# Altium PCB Drive_Board1.PcbDoc
Units mil, origin at the board's own origin, x right, y up, seen from the top; angles counter-clockwise.
Board outline 3356.04 x 2551.88 mil, 2 copper layers (Top Layer, Bottom Layer); 79 components, 38 nets, 229 pads, 292 vias.
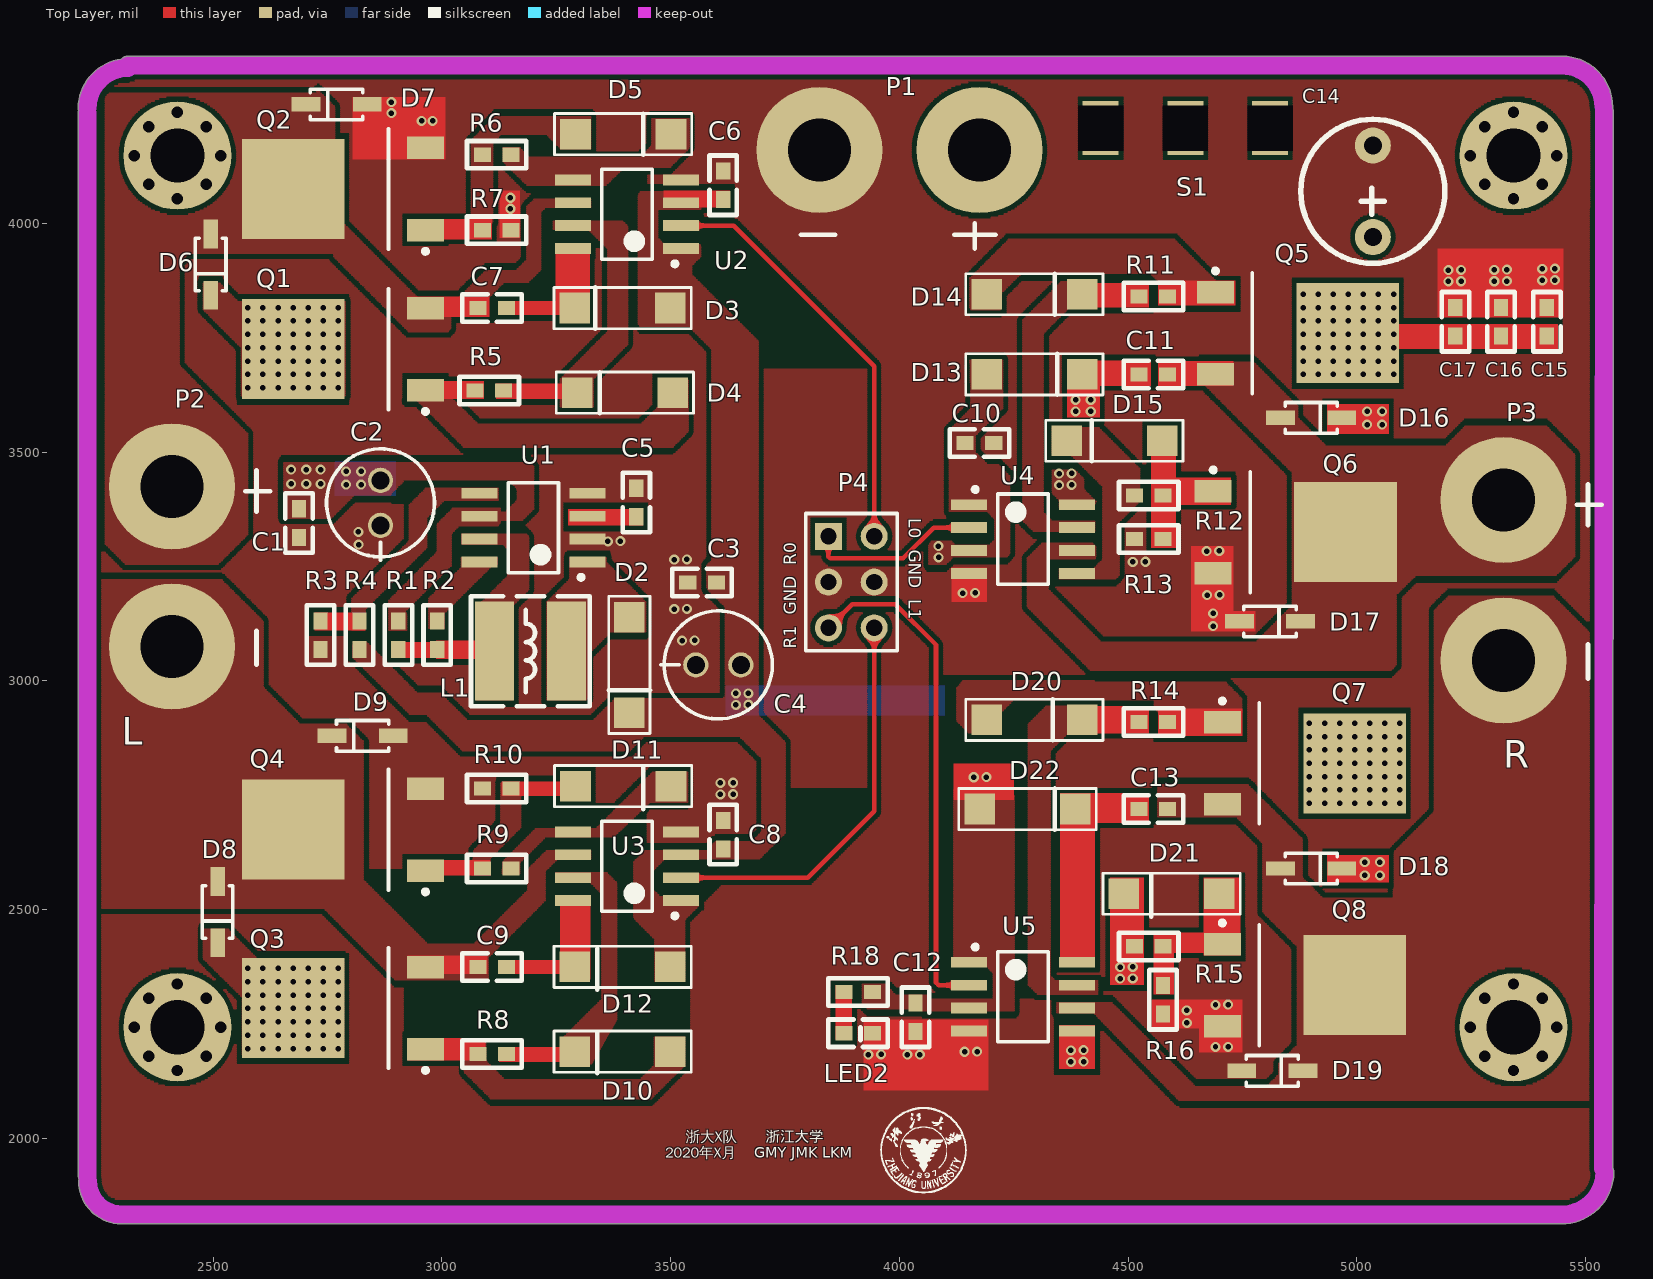
[diagram p0: Top Layer view]
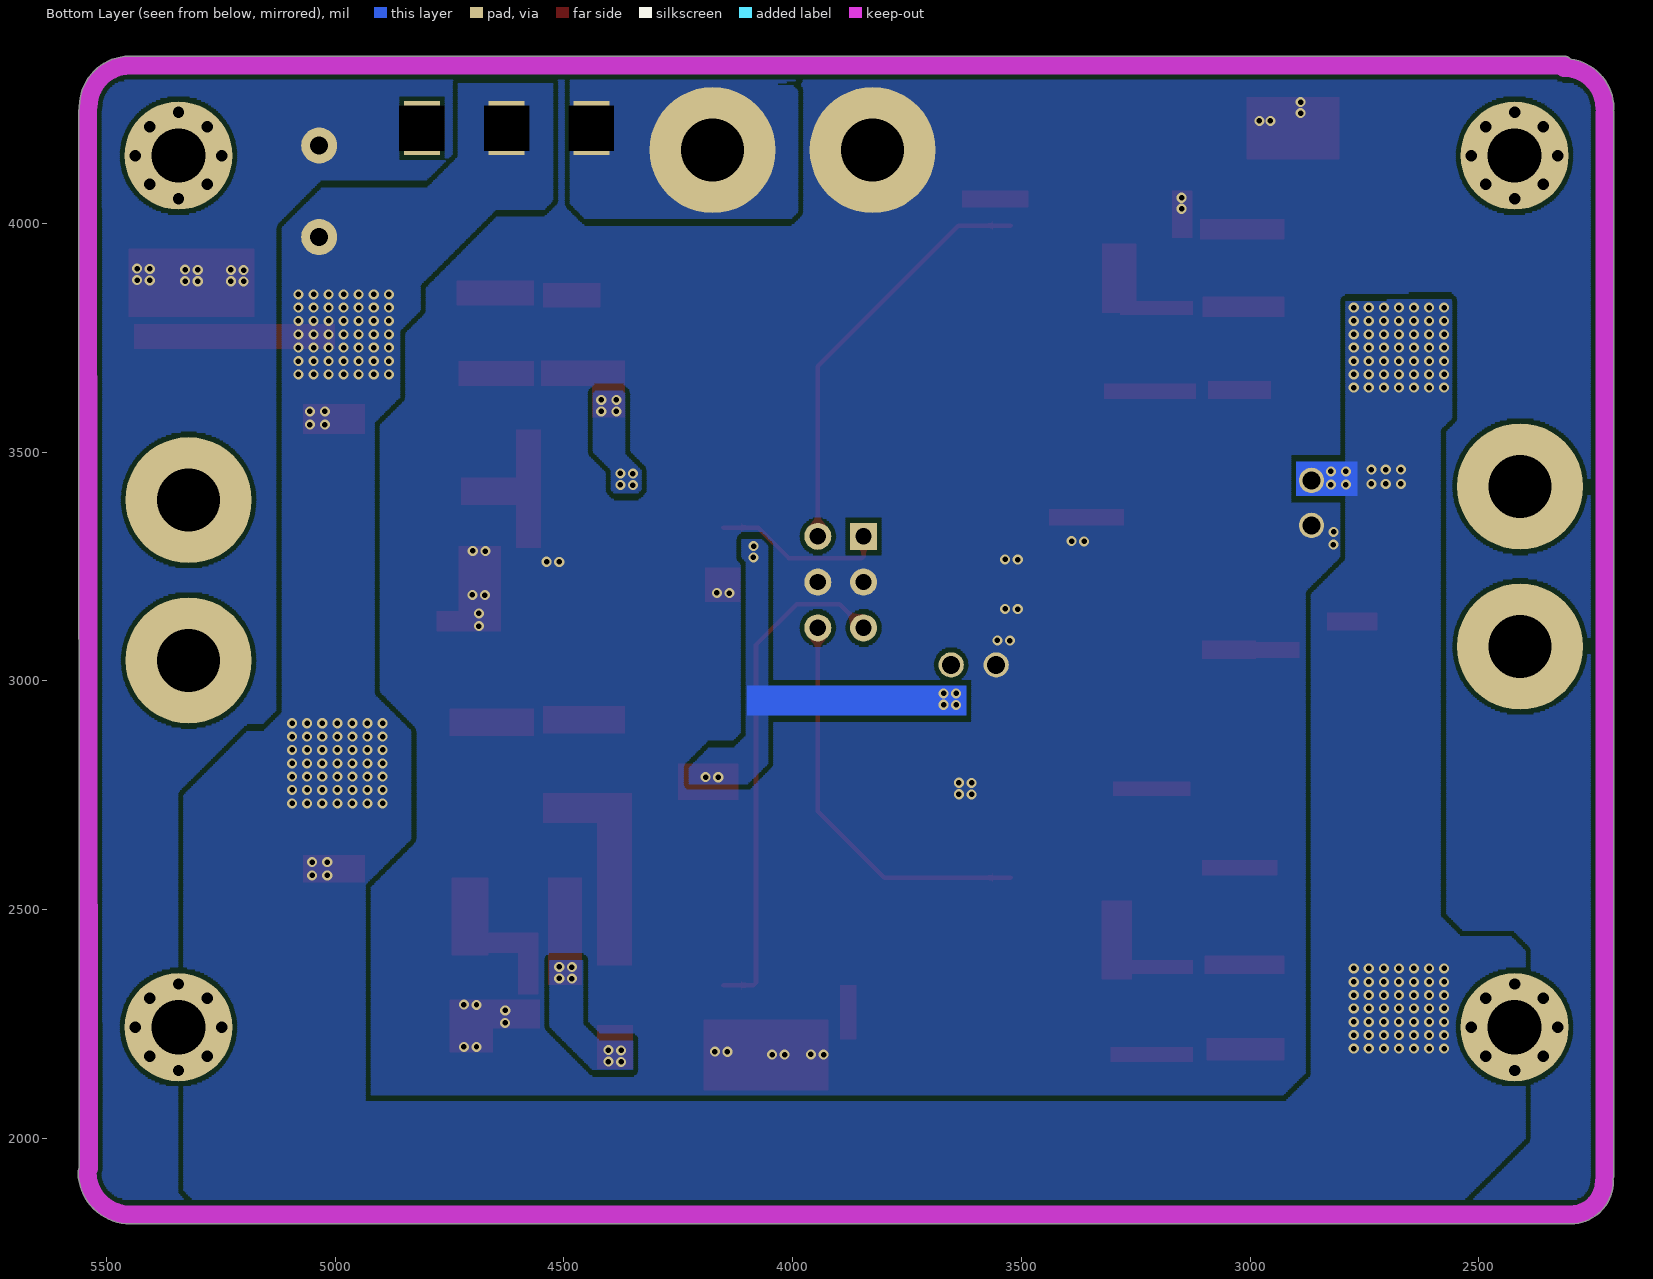
[diagram p1: Bottom Layer view, seen from below]

## Layer stack, top to bottom
Top Solder: solder mask 0.4, Solder Resist, Dk 3.5
Top Layer: signal copper 1.4
Dielectric 1: dielectric 12.6, FR-4, Dk 4.8
Bottom Layer: signal copper 1.4
Bottom Solder: solder mask 0.4, Solder Resist, Dk 3.5

## Board outline
2298.65,1813.49 ccw(c2298.94,1833.5) 2299.33,1813.49 ccw(c2300,1833.49) 2300,1813.48 5447.53,1813.48 ccw(c5447.53,1833.49) 5447.67,1813.48 ccw(c5447.76,1833.49) 5447.81,1813.48 ccw(c5447.53,1927.32) 5561.37,1925.68 ccw(c5541.35,1925.97) 5561.37,1925.97 ccw(c5541.35,1925.97) 5558.6,1936.13 5560.02,4244.99 ccw(c5540,4245) 5560.02,4245 ccw(c5540,4245) 5558.54,4252.53 ccw(c5538.71,4255.22) 5558.72,4255.22 ccw(c5538.71,4255.22) 5558.72,4255.27 ccw(c5448.37,4255) 5449.96,4365.35 ccw(c5449.67,4345.33) 5449.16,4365.34 ccw(c5448.37,4345.34) 5448.37,4365.36 2314.24,4365.36 ccw(c2314.24,4345.34) 2299.64,4359.03 ccw(c2314.24,4251.09) 2205.34,4252.67 ccw(c2225.35,4252.38) 2206.15,4246.7 ccw(c2225.34,4241) 2205.32,4241 2205.32,1920 ccw(c2225.34,1920) 2207.18,1911.59 ccw(c2226.59,1906.72) 2206.57,1906.67 ccw(c2300,1906.9)

## Design rules (kind name [scope] priority, off if disabled: settings)
Clearance [All] p1: gap=10 ignorepadtopadclearanceinfootprint=FALSE except(0: Arc-Hole Track-Hole SMDPad-Hole THPad-Hole Via-Hole Fill-Hole Poly-Hole Region-Hole Text-Hole; 6: Arc-Arc Arc-Track Track-Track)
PlaneConnect [All] p1: planeconnectstyle=Direct reliefexpansion=20 reliefentries=4 reliefconductorwidth=10 reliefairgap=10
PolygonConnect [All] p1: connectstyle=Direct reliefconductorwidth=10 reliefentries=4 polygonreliefangle="90 Angle" airgapwidth=10
RoutingVias [All] p1: holewidth=12 width=22 viastyle="Through Hole" minholewidth=12 minwidth=22 maxholewidth=12 maxwidth=22
SilkToSilkClearance [All] p1: silktosilkclearance=2
SolderMaskExpansion [All] p1: expansion=4
Width [All] p1: maxlimit=10 minlimit=10 preferedwidth=10
28 further rules are at their usual default settings.

## Classes and differential pairs
component class Sheet2: C1 C2 C3 C4 C5 C6 C7 C8 C9 C10 C11 C12 C13 C14 C15 C16 C17 D2 D3 D4 D5 D6 D7 D8 D9 D10 D11 D12 D13 D14 D15 D16 D17 D18 D19 D20 D21 D22 L1 LED2 P1 P2 P3 P4 Q1 Q2 Q3 Q4 Q5 Q6 Q7 Q8 R1 R2 R3 R4 R5 R6 R7 R8 R9 R10 R11 R12 R13 R14 R15 R16 R18 S1 U1 U2 U3 U4 U5

## Components (designator, comment, footprint, x,y, rotation, side; value= is the part's Value field where it differs from the comment)
C1 "Cap" 0603C 2688.2,3345 r90 top value=100nF
C2 "Cap" 电解电容 2866,3438.43 r270 top value=100uF/16V
C3 "Cap" 0603C 3568.75,3215 r0 top value=100nF
C4 "Cap" 电解电容 3653.43,3035 r180 top value=100uF/16V
C5 "Cap" 0603C 3425,3390 r270 top value=470pF
C6 "Cap" 0603C 3615,4083.25 r270 top value=100nF
C7 "Cap" 0603C 3110,3815 r0 top value=1.5uF
C8 "Cap" 0603C 3615,2664 r270 top value=100nF
C9 "Cap" 0603C 3110,2375 r0 top value=1.5uF
C10 "Cap" 0603C 4175,3520 r180 top value=100nF
C11 "Cap" 0603C 4555,3670 r180 top value=1.5uF
C12 "Cap" 0603C 4035,2265 r90 top value=100nF
C13 "Cap" 0603C 4555,2720 r180 top value=1.5uF
C14 "Cap" CAP5.08/8 5034.07,3968.39 r90 top value=470uF/16V
C15 "Cap" 0603C 5415,3785 r270 top value=100nF
C16 "Cap" 0603C 5315,3785 r270 top value=100nF
C17 "Cap" 0603C 5215,3785 r270 top value=100nF
D2 "SS14" ss54 3410,3035 r90 top
D3 "SS14" ss54 3395,3815 r0 top
D4 "SS14" ss54 3400,3630 r0 top
D5 "SS14" ss54 3396.47,4195 r0 top
D6 "1N4148" SOD123 2495,3975 r270 top
D7 "1N4148" SOD123 2835,4260 r180 top
D8 "1N4148" SOD123 2510,2559.93 r270 top
D9 "1N4148" SOD123 2891.93,2880 r180 top
D10 "SS14" ss54 3395,2190 r0 top
D11 "SS14" ss54 3396.47,2770 r0 top
D12 "SS14" ss54 3395,2375 r0 top
D13 "SS14" ss54 4295,3670 r180 top
D14 "SS14" ss54 4295,3845 r0 top
D15 "SS14" ss54 4470,3525 r0 top
D16 "1N4148" SOD123 4835,3575 r0 top
D17 "1N4148" SOD123 4745,3130 r0 top
D18 "1N4148" SOD123 4835,2590 r0 top
D19 "1N4148" SOD123 4750,2148 r0 top
D20 "SS14" ss54 4295,2915 r0 top
D21 "SS14" ss54 4595,2535 r180 top
D22 "SS14" ss54 4280,2720 r180 top
L1 "220uH" CD54 3193.74,3065 r0 top
LED2 "0" 0603C 3910,2230 r0 top
P1 "Header 2" VCCBAT 4000,4160 r180 top
P2 "Header 2" VCCBAT 2410,3250 r270 top
P3 "Header 2" VCCBAT 5320,3220 r270 top
P4 "Header 3X2" HDR2X3 3845,3316 r270 top
Q1 "MOSFET" DPAK-1 2785,3725 r180 top
Q2 "MOSFET" DPAK-1 2785,4075 r180 top
Q3 "MOSFET" DPAK-1 2785,2285 r180 top
Q4 "MOSFET" DPAK-1 2785,2675 r180 top
Q5 "MOSFET" DPAK-1 4870,3760 r0 top
Q6 "MOSFET" DPAK-1 4865,3325 r0 top
Q7 "MOSFET" DPAK-1 4885,2820 r0 top
Q8 "MOSFET" DPAK-1 4885,2335 r0 top
R1 "Res2" 0603R 2905,3100 r270 top value=0.91
R2 "Res2" 0603R 2990,3100 r270 top value=180
R3 "Res2" 0603R 2735,3100 r270 top value=3.9k
R4 "Res2" 0603R 2820,3100 r90 top value=33k
R5 "Res2" 0603R 3103.75,3635 r0 top value=20
R6 "Res2" 0603R 3120,4150 r0 top value=20
R7 "Res2" 0603R 3120,3985 r180 top value=10k
R8 "Res2" 0603R 3110,2185 r0 top value=20
R9 "Res2" 0603R 3120,2590 r0 top value=20
R10 "Res2" 0603R 3120,2765 r0 top value=10k
R11 "Res2" 0603R 4555,3840 r180 top value=20
R12 "Res2" 0603R 4545,3405 r180 top value=20
R13 "Res2" 0603R 4545,3310 r0 top value=10k
R14 "Res2" 0603R 4555,2910 r180 top value=20
R15 "Res2" 0603R 4545,2420 r180 top value=20
R16 "Res2" 0603R 4576.25,2303.25 r90 top value=10k
R18 "Res2" 0603R 3910,2320 r0 top value=11k
S1 "SW-SPDT" SW 4625.04,4208 r180 top
U1 "MC34063" SOIC-8 3200,3335 r180 top
U2 "IR2104" SOIC-8 3405,4020 r180 top
U3 "IR2104" SOIC-8 3405,2595 r180 top
U4 "IR2104" SOIC-8 4270,3310 r0 top
U5 "IR2104" SOIC-8 4270,2310 r0 top
? "Comment" "Mech Hole 1" 2422.2,4148.15 r0 top
? "Comment" "Mech Hole 1" 5342.2,2243.14 r0 top
? "Comment" "Mech Hole 1" 5342.2,4148.15 r0 top
? "Comment" "Mech Hole 1" 2422.2,2243.14 r0 top

## Footprints (in the part's own frame and the unit in brackets; to place one, negate y for a bottom-side part, rotate by r counter-clockwise, add the part's x,y. Pads: shape width x height; smd on the part's side, far side on the other; paste and mask are expansions set on the pad)
0603C [mil]
  rect 37.5x31 smd: 1(-31.25,0) 2(31.25,0)
  silkscreen extent -65,-30 65,30
0603R [mil]
  rect 37.5x31 smd: 1(-31.25,0) 2(31.25,0)
  silkscreen extent -65,-30 65,30
CAP5.08/8 [mm]
  round 2 hole 1: 1(0.041,-0.017) 2(5.121,-0.017)
  silkscreen extent -1.42,-4.02 6.58,3.98
CD54 [mm] "5.8*5.2*4.5mm（长宽高）"
  rect 2.15x5.5 smd: 1(-2,0) 2(2,0)
  silkscreen extent -3.3,-3.05 3.3,3.05, body extent -2.87,-2.5 2.87,2.5, height 4
DPAK-1 [mm]
  rect 5.7x5.55 smd: 1(2.794,0)
  rect 2.05x1.25 smd: 2(-4.55,2.28) 3(-4.55,-2.28)
  silkscreen extent -4.68,-3.35 -2.5,3.58, body extent -2.15,-3.37 4.07,3.37, height 2.38
HDR2X3 [mm] "Connector; Header; 3x2 Position"
  rect 1.5x1.5 hole 0.9: 1(0,0)
  round 1.5 hole 0.9: 2(0,2.54) 3(2.54,0) 4(2.54,2.54) 5(5.08,0) 6(5.08,2.54)
  silkscreen extent -1.27,-1.27 6.35,3.81
"Mech Hole 1" [mm]
  round 6 hole 3: 0(0,0)
  round 0.635 hole 0.635: 1(-2.4,0) 1(-1.6,-1.6) 1(-1.6,1.6) 1(0,-2.4) 1(0,2.4) 1(1.6,-1.6) 1(1.6,1.6) 1(2.4,0)
SOD123 [mm]
  rect 1.6x0.8 smd: 1(-0.049,0) 2(3.351,0)
  silkscreen extent 0.2,-0.85 3.1,0.85
SOIC-8 [mm]
  rect 2x0.6 smd: 1(-3,1.905) 2(-3,0.635) 3(-3,-0.635) 4(-3,-1.905) 5(3,-1.905) 6(3,-0.635) 7(3,0.635) 8(3,1.905)
  silkscreen extent -2.78,-2.5 1.4,2.88, body extent -3.05,-2.44 3.05,2.46, height 1.51
ss54 [mm]
  rect 1.7x1.7 smd: A(-2.65,0) K(2.65,0)
  silkscreen extent -3.81,-1.14 3.81,1.14
SW [mm]
  rect 2x3 hole 2.5 square: 1(-4.7,0) 2(0,0) 3(4.7,0)
VCCBAT [mm]
  round 7 hole 3.5: 1(-4.445,0) 2(4.445,0)
  silkscreen extent -5.33,4.06 5.46,5.46
电解电容 [mm]
  round 1.4 hole 1: 1(0,0) 2(2.5,0)
  silkscreen extent -1.75,-3 4.44,3

## Part data
C1 C3 C5 C6 C7 C8 C9 C10 C11 C12 C13 C15 C16 C17: "Capacitor", LatestRevisionDate=17-Jul-2002, LatestRevisionNote="Re-released for DXP Platform.", PackageDescription="Radial Cap, Thru-Hole; 2 Leads; 0.3 in Pin Spacing", PackageReference=RAD-0.3, Published=8-Jun-2000, Publisher="Altium Limited"
C2 C4 C14: library part Cap2, "Capacitor", LatestRevisionDate=17-Jul-2002, LatestRevisionNote="Re-released for DXP Platform.", PackageDescription="Radial Cap, Thru-Hole; 2 Leads; 0.3 in Pin Spacing", PackageReference=RAD-0.3, Published=8-Jun-2000, Publisher="Altium Limited"
D2 D3 D4 D5 D10 D11 D12 D13 D14 D15 D20 D21 D22: library part Diode_1, "Default Diode", Code_JEDEC=DO-214-AB, LatestRevisionDate=17-Jul-2002, LatestRevisionNote="Re-released for DXP Platform.", PackageDescription="DO-214-AB/SMC; 2 C-Bend Leads; Body 7.9 x 5.9 mm, inc. leads (LxW)", PackageReference=SMC, PackageVersion=Sep-1996, Published=8-Jun-2000, Publisher="Altium Limited"
D6 D7 D8 D9 D16 D17 D18 D19: library part Diode_2, "Default Diode", Code_JEDEC=DO-214-AB, LatestRevisionDate=17-Jul-2002, LatestRevisionNote="Re-released for DXP Platform.", PackageDescription="DO-214-AB/SMC; 2 C-Bend Leads; Body 7.9 x 5.9 mm, inc. leads (LxW)", PackageReference=SMC, PackageVersion=Sep-1996, Published=8-Jun-2000, Publisher="Altium Limited"
L1: library part Inductor_2, "Inductor", Code_IEC=1005, Code_JEITA=0402, LatestRevisionDate=29-May-2009, LatestRevisionNote="IPC-7351 Footprint Added.", PackageDescription="Chip Inductor", PackageReference=0402-A, Published=8-Jun-2000, Publisher="Altium Limited"
LED2: library part LED2, "Typical RED, GREEN, YELLOW, AMBER GaAs LED", LatestRevisionDate=17-Jul-2002, LatestRevisionNote="Re-released for DXP Platform.", PackageDescription="SM LED; 2 Flat Leads", PackageReference=3.2X1.6X1.1, PackageVersion=Feb-2002, Published=8-Jun-2000, Publisher="Altium Limited"
P1 P2 P3: library part "Header 2_2", "Header, 2-Pin", LatestRevisionDate=17-Jul-2002, LatestRevisionNote="Re-released for DXP Platform.", Publisher="Altium Limited"
P4: "Header, 3-Pin, Dual row", LatestRevisionDate=17-Jul-2002, LatestRevisionNote="Re-released for DXP Platform.", Publisher="Altium Limited"
Q1 Q2 Q3 Q4 Q5 Q6 Q7 Q8: library part MOSFET-N
R1 R2 R3 R4 R5 R6 R7 R8 R9 R10 R11 R12 R13 R14 R15 R16 R18: "Resistor", LatestRevisionDate=17-Jul-2002, LatestRevisionNote="Re-released for DXP Platform.", PackageDescription="Axial Device, Thru-Hole; 2 Leads; 0.4 in Pin Spacing", PackageReference=AXIAL-0.4, Published=8-Jun-2000, Publisher="Altium Limited"
S1: "SPDT Subminiature Toggle Switch, Right Angle Mounting, Vertical Actuation", ComponentLink1Description="Manufacturer Link", ComponentLink1URL=http://www.apem.com, DatasheetVersion=05-Dec-2000, LatestRevisionDate=17-Dec-2003, LatestRevisionNote="Schematic revised, PCB Footprint replaced.", PackageDescription="Switch; 4 Leads", PackageReference=TL36WW15050, Published=24-Mar-1999, Publisher="Altium Limited"

## Via types
v1: diameter 22, hole 12, Top Layer to Bottom Layer, tented both sides, 292 vias

## Nets (pads, with @x,y where several pads share a name; then routed paths per layer and width w, separated by ;. In a path a pad name is that pad's centre, name@x,y a point inside that pad or via, vN(x,y) a via of type N, cw(c..) or ccw(c..) an arc to the next point about the centre after c; other vN are vias at no path point)
D12V: C3.2 C4.1 C6.2 C8.2 C10.2 C12.2 D2.A D3.K D12.K D13.K D22.K R4.1 R18.2 U2.1 U2.3 U3.1 U3.3 U4.1 U4.3 U5.1 U5.3
  other v1: 4162.5,2789.57 4190,2790 3642.5,2947.57 3670,2948 3642.5,2972.57 3670,2973 4085.86,3270 4085.43,3294.5
GND: C1.1 C2.2 C3.1 C4.2 C5.1 C6.1 C8.1 C10.1 C12.1 C14.2 C15.1 C16.1 C17.1 D7.1 D9.1 D17.1 D19.1 LED2.2 P1.2 P4.3 P4.4 Q2.3 Q4.3 Q6.3 Q8.3 R3.2 R7.1 R10.1 R13.1 R16.1 U1.2 U1.4 U2.4 U3.4 U4.4 U5.4
  other v1: 4017.5,2183.15 3932.5,2183.57 3960,2184 4045,2183.57 4142.5,2189.57 4170,2190 4690.87,2200 4718.37,2200.43 4628.42,2252.5 4628,2280 4690.87,2292 4718.37,2292.43 3609,2752 3636.5,2752.43 3609,2777 3636.5,2777.43 3525,3088 3552.5,3088.43 4685.87,3120 4685.44,3147.5 3508,3157 3535.5,3157.43 4672.5,3187.57 4700,3188 4138,3192 4165.5,3192.43 4510,3260 4537.5,3260.43 3508,3265 3535.5,3265.43 4671.5,3283.57 4699,3284 2818,3298 3363,3305 3390.5,3305.43 2817.57,3325.5 5200,3873 5227.5,3873.43 5300,3873.43 5327.5,3873.85 5405,3875.5 5432.5,3875.93 5200,3898 5227.5,3898.43 5300,3898.43 5327.5,3898.85 5405,3900.5 5432.5,3900.93 3150,4032 3150,4056 2956,4224 2980,4224 2890,4241 2890,4265
L0: P4.2 U2.2 | length 921.1
  Top Layer w10: U2.2 3638,3995 3945,3688 P4.2
L1: P4.6 U3.2 | length 883
  Top Layer w10: U3.2 3800,2570 3945,2715 P4.6
L+: C7.1 D6.1 D7.2 P2.1 Q1.3 Q2.1 U2.6
L-: C9.1 D8.1 D9.2 P2.2 Q3.3 Q4.1 U3.6
NetC5_2: C5.2 U1.3
NetC7_2: C7.2 D3.A U2.8
NetC9_2: C9.2 D12.A U3.8
NetC11_2: C11.2 D13.A U4.8
  other v1: 4349,3428 4376.5,3428.43 4349,3453 4376.5,3453.43 4385.33,3589.17 4418.25,3589.17 4385.33,3614.17 4418.25,3614.17
NetC13_2: C13.2 D22.A U5.8
NetD2_1: D2.K L1.2 U1.1
NetD4_1: D4.K Q1.2 R5.1
NetD4_2: D4.A R5.2 U2.7
NetD5_1: D5.A Q2.2 R6.1 R7.2
NetD5_2: D5.K R6.2 U2.5
NetD10_1: D10.K Q3.2 R8.1
NetD10_2: D10.A R8.2 U3.7
NetD11_1: D11.A Q4.2 R9.1 R10.2
NetD11_2: D11.K R9.2 U3.5
NetD14_1: D14.A Q5.2 R11.1
NetD14_2: D14.K R11.2 U4.7
NetD15_1: D15.K Q6.2 R12.1 R13.2
NetD15_2: D15.A R12.2 U4.5
NetD20_1: D20.A Q7.2 R14.1
NetD20_2: D20.K R14.2 U5.7
NetD21_1: D21.A Q8.2 R15.1 R16.2
NetD21_2: D21.K R15.2 U5.5
  other v1: 4375,2167.57 4402.5,2168 4375,2192.57 4402.5,2193 4482.5,2349.57 4510,2350 4482.5,2374.57 4510,2375
NetL1_1: L1.1 R1.2 R2.2 U1.7
NetLED2_1: LED2.1 R18.1
NetR2_1: R2.1 U1.8
NetR3_1: R3.1 R4.2 U1.5
R0: P4.1 U4.2 | length 380.6
  Top Layer w10: P4.1 3845,3271.47 3848.47,3268 4008,3268 4075,3335 U4.2
R1: P4.5 U5.2 | length 1105.9
  Top Layer w10: P4.5 3897,3168 3991,3168 4080,3079 4080,2340.86 4085.86,2335 U5.2
R+: C11.1 D16.1 D17.2 P3.1 Q5.3 Q6.1 U4.6
R-: C13.1 D18.1 D19.2 P3.2 Q7.3 Q8.1 U5.6
VCC: C1.2 C2.1 C14.1 C15.2 C16.2 C17.2 D6.2 D8.2 D16.2 D18.2 Q1.1 Q3.1 Q5.1 Q7.1 R1.1 S1.2 U1.6
  other v1: 2576.25,2196.67 2609.17,2196.67 2642.08,2196.67 2675,2196.67 2707.92,2196.67 2740.83,2196.67 2773.75,2196.67 2576.25,2225.83 2609.17,2225.83 2642.08,2225.83 2675,2225.83 2707.92,2225.83 2740.83,2225.83 2773.75,2225.83 2576.25,2255 2609.17,2255 2642.08,2255 2675,2255 2707.92,2255 2740.83,2255 2773.75,2255 2576.25,2284.17 2609.17,2284.17 2642.08,2284.17 2675,2284.17 2707.92,2284.17 2740.83,2284.17 2773.75,2284.17 2576.25,2313.33 2609.17,2313.33 2642.08,2313.33 2675,2313.33 2707.92,2313.33 2740.83,2313.33 2773.75,2313.33 2576.25,2342.5 2609.17,2342.5 2642.08,2342.5 2675,2342.5 2707.92,2342.5 2740.83,2342.5 2773.75,2342.5 2576.25,2371.67 2609.17,2371.67 2642.08,2371.67 2675,2371.67 2707.92,2371.67 2740.83,2371.67 2773.75,2371.67 5017.08,2575 5050,2575 5017.08,2604.17 5050,2604.17 4896.25,2732.5 4929.17,2732.5 4962.08,2732.5 4995,2732.5 5027.92,2732.5 5060.83,2732.5 5093.75,2732.5 4896.25,2761.67 4929.17,2761.67 4962.08,2761.67 4995,2761.67 5027.92,2761.67 5060.83,2761.67 5093.75,2761.67 4896.25,2790.83 4929.17,2790.83 4962.08,2790.83 4995,2790.83 5027.92,2790.83 5060.83,2790.83 5093.75,2790.83 4896.25,2820 4929.17,2820 4962.08,2820 4995,2820 5027.92,2820 5060.83,2820 5093.75,2820 4896.25,2849.17 4929.17,2849.17 4962.08,2849.17 4995,2849.17 5027.92,2849.17 5060.83,2849.17 5093.75,2849.17 4896.25,2878.33 4929.17,2878.33 4962.08,2878.33 4995,2878.33 5027.92,2878.33 5060.83,2878.33 5093.75,2878.33 4896.25,2907.5 4929.17,2907.5 4962.08,2907.5 4995,2907.5 5027.92,2907.5 5060.83,2907.5 5093.75,2907.5 2790.83,3428.83 2823.75,3428.83 2670.83,3430.83 2703.75,3430.83 2735,3430.83 2790.83,3458 2823.75,3458 2670.83,3462 2703.75,3462 2735,3462 5022.08,3560 5055,3560 5022.08,3589.17 5055,3589.17 2576.25,3640.83 2609.17,3640.83 2642.08,3640.83 2675,3640.83 2707.92,3640.83 2740.83,3640.83 2773.75,3640.83 2576.25,3670 2609.17,3670 2642.08,3670 2675,3670 2707.92,3670 2740.83,3670 2773.75,3670 4882.5,3670 4915.42,3670 4948.33,3670 4981.25,3670 5014.17,3670 5047.08,3670 5080,3670 2576.25,3699.17 2609.17,3699.17 2642.08,3699.17 2675,3699.17 2707.92,3699.17 2740.83,3699.17 2773.75,3699.17 4882.5,3699.17 4915.42,3699.17 4948.33,3699.17 4981.25,3699.17 5014.17,3699.17 5047.08,3699.17 5080,3699.17 2576.25,3728.33 2609.17,3728.33 2642.08,3728.33 2675,3728.33 2707.92,3728.33 2740.83,3728.33 2773.75,3728.33 4882.5,3728.33 4915.42,3728.33 4948.33,3728.33 4981.25,3728.33 5014.17,3728.33 5047.08,3728.33 5080,3728.33 2576.25,3757.5 2609.17,3757.5 2642.08,3757.5 2675,3757.5 2707.92,3757.5 2740.83,3757.5 2773.75,3757.5 4882.5,3757.5 4915.42,3757.5 4948.33,3757.5 4981.25,3757.5 5014.17,3757.5 5047.08,3757.5 5080,3757.5 2576.25,3786.67 2609.17,3786.67 2642.08,3786.67 2675,3786.67 2707.92,3786.67 2740.83,3786.67 2773.75,3786.67 4882.5,3786.67 4915.42,3786.67 4948.33,3786.67 4981.25,3786.67 5014.17,3786.67 5047.08,3786.67 5080,3786.67 2576.25,3815.83 2609.17,3815.83 2642.08,3815.83 2675,3815.83 2707.92,3815.83 2740.83,3815.83 2773.75,3815.83 4882.5,3815.83 4915.42,3815.83 4948.33,3815.83 4981.25,3815.83 5014.17,3815.83 5047.08,3815.83 5080,3815.83 4882.5,3845 4915.42,3845 4948.33,3845 4981.25,3845 5014.17,3845 5047.08,3845 5080,3845
VIN: P1.1 S1.3
pads on no net: ?.0 ?.1 S1.1

## Polygon pours and split planes (outlines as drawn)
GND on Bottom Layer "Bottom Layer-GND" (hatched Horizontal grid 4 track 5, remove dead copper, pour order 196): 2120,4515 5510,4515 5665,4360 5665,1610 5615,1560 2065,1560
VIN on Bottom Layer "Bottom Layer-VIN" (hatched Horizontal grid 4 track 5, remove dead copper, pour order 182): 3930,4325 4485,4325 4485,4043 4452,4010 4005,4010 3990,4025 3990,4290 4004,4304 4035,4304
VCC on Bottom Layer "Bottom Layer-VCC 3" (hatched Horizontal grid 4 track 5, remove dead copper, pour order 180): 4525,4305 4525,4050 4545,4030 4650,4030 4835,3845 5115,3845 5115,3990 5025,4080 4795,4080 4730,4145 4730,4305
VCC on Bottom Layer "Bottom Layer-VCC 1" (hatched Horizontal grid 4 track 5, remove dead copper, pour order 154): 2400,2204 2400,2000 2535,1865 5308,1865 5330,1887 5330,2744 5292,2744 5080,2956 5076,2952 4897,2952 4850,2905 4850,2665 4850,2644.94 4935,2599.94 4935,2080 2923,2080 2855,2148
VCC on Bottom Layer "Bottom Layer-VCC 2" (hatched Horizontal grid 4 track 5, remove dead copper, pour order 100): 2565,3835 2560,3830 2560,3575 2585,3550 2585,2485 2540,2440 2430,2440 2400,2410 2400,2180 2460,2120 2850,2120 2866,2136 2866,3189 2790,3265 2790,3830
no net on Bottom Layer "Bottom Layer-No Net 1" (hatched Horizontal grid 4 track 5, remove dead copper, pour order 174): 2180,4410
no net on Bottom Layer "Bottom Layer-No Net" (hatched Horizontal grid 4 track 5, remove dead copper, pour order 152): 2404,2176
D12V on Bottom Layer "Bottom Layer-EN" (hatched Horizontal grid 4 track 5, remove dead copper, pour order 62): 4224,2775 4225,2776 4225,2810 4179,2856 4125,2856 4100,2881 4100,3260 4110,3270 4110,3308 4106,3312 4072,3312 4055,3295 4055,2820 4100,2775
NetD21_2 on Bottom Layer "Bottom Layer-NetD21_2" (hatched Horizontal grid 4 track 5, remove dead copper, pour order 42): 4460,2390 4460,2250 4425,2215 4350,2215 4350,2150 4435,2150 4530,2245 4530,2390
NetC11_2 on Bottom Layer "Bottom Layer-NetC11_2" (hatched Horizontal grid 4 track 5, remove dead copper, pour order 28): 4368,3628 4368,3496 4332,3460 4332,3418 4340,3410 4388,3410 4395,3417 4395,3461 4435,3501 4435,3628 4428,3635 4375,3635
VCC on Bottom Layer "Bottom Layer-VCC" (hatched Horizontal grid 4 track 5, remove dead copper, pour order 4): 4815,3810 4860,3765 4860,3620 4915,3565 4915,2970 4835,2890 4835,2655 4955,2535 5240,2535 5330,2625 5330,2750 5190,2890 5155,2890 5115,2930 5115,3870 5065,3920 4815,3920
GND on Top Layer "Top Layer-GND 7" (hatched Horizontal grid 4 track 5, remove dead copper, pour order 194): 2120,4515 5510,4515 5665,4360 5665,1610 5615,1560 2065,1560
no net on Top Layer "Top Layer-No Net 4" (hatched Horizontal grid 4 track 5, remove dead copper, pour order 184): 5175,3936
L+ on Top Layer "Top Layer-L+" (hatched Horizontal grid 4 track 5, remove dead copper, pour order 82): 2948,3836 2765,4019 2765,4255 2730,4290 2725,4285 2275,4285 2265,4275 2265,3300 2310,3255 2510,3255 2575,3320 2575,3540 2425,3690 2425,3914 2446,3935 2765,3935 2765,3927 2929,3763 3012,3763 3019,3770 3019,3835
R- on Top Layer "Top Layer-R-" (hatched Horizontal grid 4 track 5, remove dead copper, pour order 40): 5080,2524 5080,2624.5 5170,2714.5 5170,3154 5204,3188 5425,3188 5525,3088 5525,2080 5152.84,2080 5150,2082.84
GND on Top Layer "Top Layer-GND 6" (hatched Horizontal grid 4 track 5, remove dead copper, pour order 162): 3480,2995 3577,2995 3598,3016 3598,3131.5 3552,3177.5 3552,3286.02 3516.02,3322 3280,3322 3280,3294.5 3412.27,3294.5 3480,3237.09
GND on Top Layer "Top Layer-GND 3" (hatched Horizontal grid 4 track 5, remove dead copper, pour order 160): 2665,3264 2665,3096 2737,3024 2745,3032 2745,3080 2725,3080 2705,3100 2705,3268
VCC on Top Layer "Top Layer-VCC 4" (hatched Horizontal grid 4 track 5, remove dead copper, pour order 158): 2884.43,3175.42 2990.43,3281.42 2990.43,3342.48 3024.19,3376.25 3126.94,3376.25 3126.94,3344.94 3122,3340 3038,3340 3020,3322 3020,3252.58 2918.28,3150.85 2922,3147.13 2922,3108 2885.13,3108 2884.43,3108.7
GND on Top Layer "Top Layer-GND 4" (hatched Horizontal grid 4 track 5, remove dead copper, pour order 156): 2790,3332 2837.5,3379.5 2890.5,3379.5 2906,3364 2906,3309.82 2860.18,3264 2665,3264 2665,3330 2665,3332
D12V on Top Layer "Top Layer-EN 9" (hatched Horizontal grid 4 track 5, remove dead copper, pour order 144): 3517.01,3798.99 3591,3725 3591,3232 3607,3216 3691,3216 3691,3742.25 3510.27,3922.98
D12V on Top Layer "Top Layer-EN 10" (hatched Horizontal grid 4 track 5, remove dead copper, pour order 142): 3630,2650 3680,2650 3700,2670 3700,2830.51 3640,2890.51 3640,2936 3679.49,2936 3750,2865.49 3750,2668 3691.97,2609.97 3595,2609.97 3595,2638 3605,2648
D12V on Top Layer "Top Layer-EN 11" (hatched Horizontal grid 4 track 5, remove dead copper, pour order 140): 3420.01,2960.96 3614,2960.96 3620,2966.96 3620,3161.76 3580,3201.76 3580,3253 3591,3264 3680,3264 3691,3253 3691,2920.49 3650.51,2880 3419.99,2880
GND on Top Layer "Top Layer-GND 5" (hatched Horizontal grid 4 track 5, remove dead copper, pour order 138): 3560,2680 3560,2681 3595,2716 3595,2803 3594,2804 3650,2804 3650,2672 3598.48,2672 3586.48,2660 3483.03,2660 3483.03,2679.88
D12V on Top Layer "Top Layer-EN 4" (hatched Horizontal grid 4 track 5, remove dead copper, pour order 134): 2806,3052 2934,2924 2970,2924 3046.5,2847.5 3410,2847.5 3442.51,2880.01 3442.51,2960.96 3378.96,2960.96 3330,2912 3057,2912 2994,2975 2944.38,2975 2834.38,3085 2807,3085
no net on Top Layer "Top Layer-No Net 2" (hatched Horizontal grid 4 track 5, remove dead copper, pour order 132): 2806,3052
GND on Top Layer "Top Layer-GND 1" (hatched Horizontal grid 4 track 5, remove dead copper, pour order 130): 2720,3041 2865,2896 2865,2848.13 2925.13,2788 2925,2742 3109.57,2742 3111.57,2744 3111.57,2784 3107.57,2788 3004,2788 2927,2865 2927,2896 2912,2896 2750,3060.5 2750,3069 2750,3085 2723,3085 2720,3085
D12V on Top Layer "Top Layer-EN 5" (hatched Horizontal grid 4 track 5, remove dead copper, pour order 128): 3582,2632 3600,2650 3630,2650 3630,2615 3628,2613 3600,2613 3596.97,2609.97 3517.03,2609.97 3515,2612 3515,2632
VCC on Top Layer "Top Layer-VCC" (hatched Horizontal grid 4 track 5, remove dead copper, pour order 126): 2655,3480 2890,3480 2905,3465 2905,3425.62 2883.38,3404 2806,3404 2757,3355 2655,3355
D12V on Top Layer "Top Layer-EN 6" (hatched Horizontal grid 4 track 5, remove dead copper, pour order 124): 3447.83,2632 3420,2604.17 3420,2482 3466,2436 3500,2470 3500,2515 3485,2530 3475,2530 3457,2548 3457,2581.97 3485,2609.97 3560,2609.97 3560,2632
D12V on Top Layer "Top Layer-EN 7" (hatched Horizontal grid 4 track 5, remove dead copper, pour order 122): 3485,2510 3466,2491 3466,2342.5 3530,2342.5 3530,2478 3560,2508 3560,2530 3485,2530
NetD11_2 on Top Layer "Top Layer-NetD11_2" (hatched Horizontal grid 4 track 5, remove dead copper, pour order 120): 3341,2680 3465,2804 3536.5,2804 3536.5,2734.5 3453.5,2734.5 3375,2659.47 3371.53,2659.47 3305,2659.47 3305,2680
NetD11_2 on Top Layer "Top Layer-NetD11_2 1" (hatched Horizontal grid 4 track 5, remove dead copper, pour order 118): 3134,2605 3209,2680 3326,2680 3326,2659.47 3226.5,2659.47 3170,2602.97 3170,2576 3133,2576
L- on Top Layer "Top Layer-L-" (hatched Horizontal grid 4 track 5, remove dead copper, pour order 116): 3250,2632 3232.83,2632 3188.76,2587.93 3188.76,2542.76 3050,2404 3050,2348 3101,2348 3101,2396 3225,2520 3225,2584 3249.75,2608.75 3325,2608.75 3325,2629 3324,2630
L- on Top Layer "Top Layer-L- 1" (hatched Horizontal grid 4 track 5, remove dead copper, pour order 114): 2304,3222 2517,3222 2609.17,3129.83 2609.17,2985.83 2690,2905 2790,2905 2828,2867 2828,2565 2965,2428 3081,2428 3101,2408 3101,2344 2902,2344 2742,2504 2231,2504 2165,2570 2165,3228
NetD11_1 on Top Layer "Top Layer-NetD11_1" (hatched Horizontal grid 4 track 5, remove dead copper, pour order 112): 3070.94,2629.94 3130,2689 3130,2780 3171.88,2780 3171.88,2679.88 3105,2613 3105,2575 3067,2575 3066,2576
NetD10_2 on Top Layer "Top Layer-NetD10_2" (hatched Horizontal grid 4 track 5, remove dead copper, pour order 110): 3325,2560 3350,2535 3350,2304 3265,2219 3265,2164 3269,2160 3324,2160 3382,2260 3382,2558.43 3356.43,2584 3250,2584 3250,2560
NetD10_1 on Top Layer "Top Layer-NetD10_1" (hatched Horizontal grid 4 track 5, remove dead copper, pour order 108): 3050,2175 3050,2145 3110,2085 3455,2085 3530,2160 3530,2224 3465,2224 3465,2160 3435,2130 3135,2130 3095,2170 3095,2212 3053,2212 3049,2216
VCC on Top Layer "Top Layer-VCC 1" (hatched Horizontal grid 4 track 5, remove dead copper, pour order 106): 2480,2393 2565,2308 2565,2180 2785,2180 2785,2395 2594,2395 2529,2460 2480,2460
VCC on Top Layer "Top Layer-VCC 2" (hatched Horizontal grid 4 track 5, remove dead copper, pour order 104): 3119.57,3370.5 3141.5,3370.5 3166,3395 3166,3419 3145,3440 2919.38,3440 2885,3405.62 2834.38,3405.62 2815,3425 2815,3470 2825,3480 3188.38,3480 3200,3468.38 3200,3376 3174,3350 3044,3350 3044,3372
no net on Top Layer "Top Layer-No Net 3" (hatched Horizontal grid 4 track 5, remove dead copper, pour order 102): 2788,3408.31
GND on Top Layer "Top Layer-GND 2" (hatched Horizontal grid 4 track 5, remove dead copper, pour order 98): 3354,3420 3372.43,3438.43 3440,3438.43 3440,3405 3431,3396 3278,3396 3278,3420.62
NetR3_1 on Top Layer "Top Layer-NetR3_1" (hatched Horizontal grid 4 track 5, remove dead copper, pour order 96): 2804,3180 2930,3306 2930,3385 2966.25,3421.25 3120.75,3421.25 3122,3420 3122,3396 3006,3396 2966.25,3356.25 2966.25,3291.25 2832,3157 2832,3110 2804,3110
NetL1_1 on Top Layer "Top Layer-NetL1_1" (hatched Horizontal grid 4 track 5, remove dead copper, pour order 94): 3118,3298.88 3118.88,3298 3135,3298 3145,3288 3145,3229.43 3085.57,3170 3075,3170 3075,2956 3155,2956 3155,3165 3188.76,3198.76 3188.76,3315.62 3180.38,3324 3044,3324 3044,3300
NetR2_1 on Top Layer "Top Layer-NetR2_1" (hatched Horizontal grid 4 track 5, remove dead copper, pour order 92): 2972,3181 3043,3247 3043,3271.47 3120,3271.47 3120,3252 3109,3252 3005,3148 3005,3112 2972,3112
NetD2_1 on Top Layer "Top Layer-NetD2_1" (hatched Horizontal grid 4 track 5, remove dead copper, pour order 90): 3280,3222 3230,3172 3230,2956 3312,2956 3318.11,2962.11 3318.11,3057.11 3366,3105 3445,3105 3445,3173 3358,3260 3358,3272 3280,3272
VCC on Top Layer "Top Layer-VCC 3" (hatched Horizontal grid 4 track 5, remove dead copper, pour order 88): 2479,3872 2479,3812 2563,3728 2563,3620 2785,3620 2788,3623 2788,3830 2553,3830 2511,3872
D12V on Top Layer "Top Layer-EN 8" (hatched Horizontal grid 4 track 5, remove dead copper, pour order 84): 3485,4072 3439,4072 3430,4063 3430,3780 3438,3772 3540,3772 3545,3777 3545,3907.5 3565,3927.5 3565,3951 3560,3956 3483,3956 3471,3968 3471,4028 3475,4032 3565,4032 3565,4069.33
NetD4_1 on Top Layer "Top Layer-NetD4_1" (hatched Horizontal grid 4 track 5, remove dead copper, pour order 80): 2925,3612 2948,3612 3050,3510 3502.5,3510 3537.5,3545 3537.5,3657.5 3535,3660 3475,3660 3475,3600 3435,3560 3079,3560 3015,3624
NetD4_2 on Top Layer "Top Layer-NetD4_2" (hatched Horizontal grid 4 track 5, remove dead copper, pour order 76): 3363,3945 3363,3763 3260,3660 3260,3596 3330,3596 3330,3660 3405,3735 3405,3994 3391,4008 3244,4008 3244,3984 3324,3984
L+ on Top Layer "Top Layer-L+ 1" (hatched Horizontal grid 4 track 5, remove dead copper, pour order 74): 3206,4056 3186,4036 3186,3920 3166,3900 3100,3900 3030,3830 3094,3830 3134,3870 3186.76,3870 3215,3898.24 3215,4024 3226,4035 3325,4035 3325,4056
NetD5_1 on Top Layer "Top Layer-NetD5_1" (hatched Horizontal grid 4 track 5, remove dead copper, pour order 72): 3072,4188 3065,4181 3065,3995 3103,3995 3110,4002 3110,4188
NetD5_2 on Top Layer "Top Layer-NetD5_2" (hatched Horizontal grid 4 track 5, remove dead copper, pour order 68): 3135,4135 3190,4080 3355,4080 3395,4120 3495,4120 3540,4165 3540,4232 3460,4232 3460,4170 3434,4144 3190.76,4144 3170,4164.76 3135,4164.76
NetD5_1 on Top Layer "Top Layer-NetD5_1 1" (hatched Horizontal grid 4 track 5, remove dead copper, pour order 66): 3070,4186 3120,4236 3324,4236 3325,4235 3325,4160 3264,4160 3228,4196 3130,4196 3110,4176 3110,4135 3071,4135 3070,4136
no net on Top Layer "Top Layer-No Net 1" (hatched Horizontal grid 4 track 5, remove dead copper, pour order 58): 4140,2772
D12V on Top Layer "Top Layer-EN 2" (hatched Horizontal grid 4 track 5, remove dead copper, pour order 56): 4075,3308 4065,3298 4065,3253 4066,3252 4098,3252 4125,3279 4125,3293 4110,3308
GND on Top Layer "Top Layer-GND" (hatched Horizontal grid 4 track 5, remove dead copper, pour order 52): 4495,3296 4495,3250 4505,3240 4553.5,3240 4557.5,3244 4557.5,3268.5 4530,3296 4530,3324 4497,3324 4496,3325
D12V on Top Layer "Top Layer-EN 3" (hatched Horizontal grid 4 track 5, remove dead copper, pour order 48): 4185,2376 4192,2376 4206.25,2361.75 4206.25,2305 4066,2305 4055,2316 3989,2316 3965,2340 3924,2340 3920,2336 3920,2295 3935,2280 4052,2280 4056,2276 4250,2276 4250,2749.38 4227.38,2772 4132,2772 4120,2760 4120,2654 4120,2627 4120,2376
NetD20_1 on Top Layer "Top Layer-NetD20_1" (hatched Horizontal grid 4 track 5, remove dead copper, pour order 46): 4579.5,2919.5 4539,2960 4250,2960 4220,2930 4220,2884 4159,2885 4154,2885 4126,2913 4126,2984 4139.95,3000.51 4709.51,2999.49 4747,2962 4747,2930
NetD20_2 on Top Layer "Top Layer-NetD20_2" (hatched Horizontal grid 4 track 5, remove dead copper, pour order 44): 4340,2315 4303,2315 4282,2336 4282,2905 4322,2945 4429,2945 4434,2940 4431.04,2937.04 4431.04,2890 4371.5,2890 4329,2847.5 4329,2356 4340,2345 4433,2345 4433,2313.88
R- on Top Layer "Top Layer-R- 1" (hatched Horizontal grid 4 track 5, remove dead copper, pour order 38): 4345,2275 4356,2275 4425,2275 4615,2080 4590,2080 5155,2080 5155,2140 4830,2140 4805.97,2115.97 4644.03,2115.97 4460,2300 4345,2300
R- on Top Layer "Top Layer-R- 2" (hatched Horizontal grid 4 track 5, remove dead copper, pour order 36): 4565,2700 4740,2700 4795,2645 4795,2495 4870,2420 4870,2204 4830,2164 4830,2093.07 4833.07,2090 5135,2090 5155,2110 5155,2455 5085,2525 4925,2525 4880,2570 4880,2654 4759,2775 4670.33,2775 4655,2775 4565,2775
D12V on Top Layer "Top Layer-EN" (hatched Horizontal grid 4 track 5, remove dead copper, pour order 34): 4191,3372 4209,3354 4209,3308 4199.88,3298.88 4114,3298.88 4114,3268 4224.3,3268 4230.75,3268 4240,3278.3 4240,3448 4212,3476 4170,3476
D12V on Top Layer "Top Layer-EN 1" (hatched Horizontal grid 4 track 5, remove dead copper, pour order 32): 4156.58,3640 4156.58,3594.58 4110,3548 4110,3370.5 4191,3370.5 4191,3474 4165,3500 4165,3536 4225,3596 4225,3702 4223,3704 4155,3704
NetC11_2 on Top Layer "Top Layer-NetC11_2" (hatched Horizontal grid 4 track 5, remove dead copper, pour order 26): 4402,3424 4402,3419 4429.89,3391.11 4423.79,3385 4388.11,3385
NetC11_2 on Top Layer "Top Layer-NetC11_2 1" (hatched Horizontal grid 4 track 5, remove dead copper, pour order 24): 4350,3375 4350,3395 4335.5,3409.5 4335.5,3460 4339.5,3464 4380,3464 4402,3442 4402,3396
NetD14_2 on Top Layer "Top Layer-NetD14_2" (hatched Horizontal grid 4 track 5, remove dead copper, pour order 22): 4426,3324 4297,3324 4270,3351 4270,3788 4358,3876 4431,3876 4432,3875 4430,3873 4430,3816 4370.5,3816 4312,3757.5 4314,3755.5 4314,3368 4334,3348 4426,3348
R+ on Top Layer "Top Layer-R+" (hatched Horizontal grid 4 track 5, remove dead copper, pour order 20): 4350,3303.75 4315.75,3303.75 4280,3268 4280,3162 4422,3020 4830,3020 4830,3121 4823,3128 4779,3084 4441,3084 4325,3200 4325,3268 4428,3268 4428,3294 4418.25,3303.75
NetD15_2 on Top Layer "Top Layer-NetD15_2" (hatched Horizontal grid 4 track 5, remove dead copper, pour order 18): 4350,3245 4425,3245 4445.3,3265.3 4445.3,3424.7 4375,3495 4335,3495 4335,3556 4336,3555 4433,3555 4525,3463 4525,3393 4480,3348 4480,3232 4468,3220 4350,3220
R+ on Top Layer "Top Layer-R+ 1" (hatched Horizontal grid 4 track 5, remove dead copper, pour order 14): 5000,3515 5196,3515 5241,3560 5410,3560 5475,3495 5475,3272 5431,3228 5125,3228 5085,3188
no net on Top Layer "Top Layer-No Net" (hatched Horizontal grid 4 track 5, remove dead copper, pour order 10): 5039,3476
R+ on Top Layer "Top Layer-R+ 2" (hatched Horizontal grid 4 track 5, remove dead copper, pour order 8): 4665,3650 4785,3530 4860,3455 4860,3165 4815,3120 4815,3030 4825,3020 5070,3020 5085,3035 5085,3430 5000,3515 4930,3515 4870,3575 4870,3600 4770.83,3699.17 4659.54,3699.17
NetD14_1 on Top Layer "Top Layer-NetD14_1" (hatched Horizontal grid 4 track 5, remove dead copper, pour order 6): 4155,3880 4240,3965 4600,3965 4700,3865 4700,3845 4595,3845 4550,3890 4265,3890 4220,3845 4220,3810 4157.72,3810 4155,3814.76 4155,3818.94

## Keep-outs
Keep-Out Layer:
  lines w40: 2225.34,1920 2225.34,4241 ; 2225.35,4252.38 cw(c2314.24,4251.09) 2314.02,4340 ; 2226.59,1906.72 ccw(c2300,1906.9) 2298.94,1833.5 ; 2300,1833.49 5447.53,1833.49 ; 2314.24,4345.34 5448.37,4345.34 ; 5447.76,1833.49 ccw(c5447.53,1927.32) 5541.35,1925.97 ; 5449.67,4345.33 cw(c5448.37,4255) 5538.71,4255.22 ; 5538.58,1935 5540,4245

## Other copper
Top Layer:
  rectangle net NetD21_1: 4555,2315 4600,2435
  rectangle net NetD21_1: 4665,2400 4745,2570
  rectangle net NetD21_1: 4555,2405 4740,2450
  rectangle net NetD21_2: 4460,2405 4535,2570
  rectangle net NetC9_2: 3125,2360 3310,2390
  rectangle net NetC9_2: 3258,2348 3325,2520
  rectangle net NetD10_2: 3125,2167.57 3305,2200.43
  rectangle net NetD4_2: 3118,3616 3320,3650
  rectangle net NetC7_2: 3248,3804 3324,3956
  rectangle net GND: 5176,3795 5451,3945
  rectangle net VCC: 5000,3725 5439,3780
  rectangle net NetL1_1: 2987,3048 3105,3088
  rectangle net GND: 2805,4140 3008,4276
  rectangle net NetC5_2: 3276.25,3340 3440,3376
  rectangle net GND: 3126,3968 3170.76,4072
  rectangle net NetL1_1: 2892,3050 3000,3085
  rectangle net L-: 2925,2360 3100,2400
  rectangle net NetD10_1: 2925,2170 3095,2220
  rectangle net NetD11_1: 2940,2575 3105,2608.75
  rectangle net NetD11_1: 3130,2748 3300,2780
  rectangle net NetR3_1: 2722.2,3110 2832,3150
  rectangle net NetD4_1: 2955,3616 3092,3655
  rectangle net NetC7_2: 3125,3800 3285,3830
  rectangle net L+: 2925,3795 3104,3840
  rectangle net D12V: 3485,4035 3630,4072
  rectangle net NetD5_1: 2925,3965 3110,4010
  rectangle net D12V: 4118,2740 4250,2820
  rectangle net GND: 4114,3172 4192,3248
  rectangle net GND: 4655,3108 4778,3153
  rectangle net GND: 4637,3108 4730,3295
  rectangle net GND: 4655,2188 4750,2304
  rectangle net GND: 4552.64,2240 4750,2304
  rectangle net NetLED2_1: 3860,2216 3897,2335
  rectangle net GND: 3922,2105 4195,2260
  rectangle net NetD21_2: 4348.33,2152 4428,2248
  rectangle net NetD21_2: 4460,2336 4535,2415
  rectangle net NetC13_2: 4351,2378.07 4428,2755
  rectangle net NetC13_2: 4351,2690 4545,2755
  rectangle net NetD20_2: 4366.5,2885 4545,2945
  rectangle net NetD20_1: 4565,2880 4750,2940
  rectangle net NetC11_2: 4366.5,3576 4438,3700
  rectangle net NetC11_2: 4384.33,3645 4550,3700
  rectangle net NetD14_2: 4420,3815.83 4545,3870
  rectangle net NetD15_1: 4550,3290 4605,3395
  rectangle net NetD15_1: 4550,3385 4725,3445
  rectangle net NetD15_1: 4550,3385 4605,3550
  rectangle net R+: 4565,3645 4730,3699.17
  rectangle net NetD14_1: 4565,3820 4735,3875
  rectangle net VCC: 4935,2560 5070,2620
  rectangle net VCC: 4935,3540 5070,3605
  pour cut-out: 4255,2320 4290,2320 4300,2310 4295,2305 4255,2305
  pour cut-out: 4090,3015 4150,3015 4155,3010 4150,3005 4090,3005
  pour cut-out: 3570,2525 3605,2560 3620,2560 3570,2510
  pour cut-out: 3755,2765 3935,2765 3935,2745 3930,2740 3755,2740
  pour cut-out: 2915,2340 2915,2225 2920,2220 2925,2225 2945,2225 2945,2335 2940,2340
  pour cut-out: 3330,2735 3320,2725 3385,2725 3375,2735
  pour cut-out: 3330,2735 3385,2735 3375,2725 3370,2730 3325,2730
  pour cut-out: 3440,2710 3450,2710 3450,2635 3445,2640 3440,2640
  pour cut-out: 3535,2340 3535,2225 3545,2225 3545,2340
  pour cut-out: 3445,2715 3445,2640 3450,2640 3450,2715
  pour cut-out: 3868.25,3691.54 3927.04,3691.54 3927.5,3692 3937.75,3681.75 3937.75,3680 3877.75,3680 3869.75,3688
  pour cut-out: 3927.5,3680 3710,3680 3698.46,3691.54 3698.46,3756
  pour cut-out: 3443.53,4110 3445,4108.53 3445,4082.6 3448.61,4082.6 3451.21,4080 3451.21,4112 3447,4112 3445,4110
  pour cut-out: 2835.38,2592 2916.99,2592 2920,2588.99 2920,2576 2832,2576 2835.38,2579.38
  pour cut-out: 2883.48,3388.89 2906,3384 2918.59,3384 2924.59,3390 2904.59,3410 2898.79,3410
  pour cut-out: 2883.38,3404
Bottom Layer:
  rectangle net D12V: 3620,2924 4100,2990
  rectangle net VCC: 2765,3404 2900,3480

## Silkscreen, mask and mechanical layers (free items; w line width, h text height)
Top Overlay:
  drawing of 1354 lines, arcs and shapes, not listed
  text "L0  GND  L1" at 4020,3355 h27 r270
  text "R1  GND  R0" at 3775,3070 h27 r90
  text "L" at 2300,2860 h60
  text "R" at 5320,2810 h60
  text "浙大X队" at 3532.78,1985 h40
  text "浙江大学" at 3708.33,1985 h40
  text "2020年X月" at 3488.33,1950 h40
  text "GMY JMK LKM" at 3683.33,1950 h40